# EAGLE board working (EAGLE 6.6.0), part 1 of 2
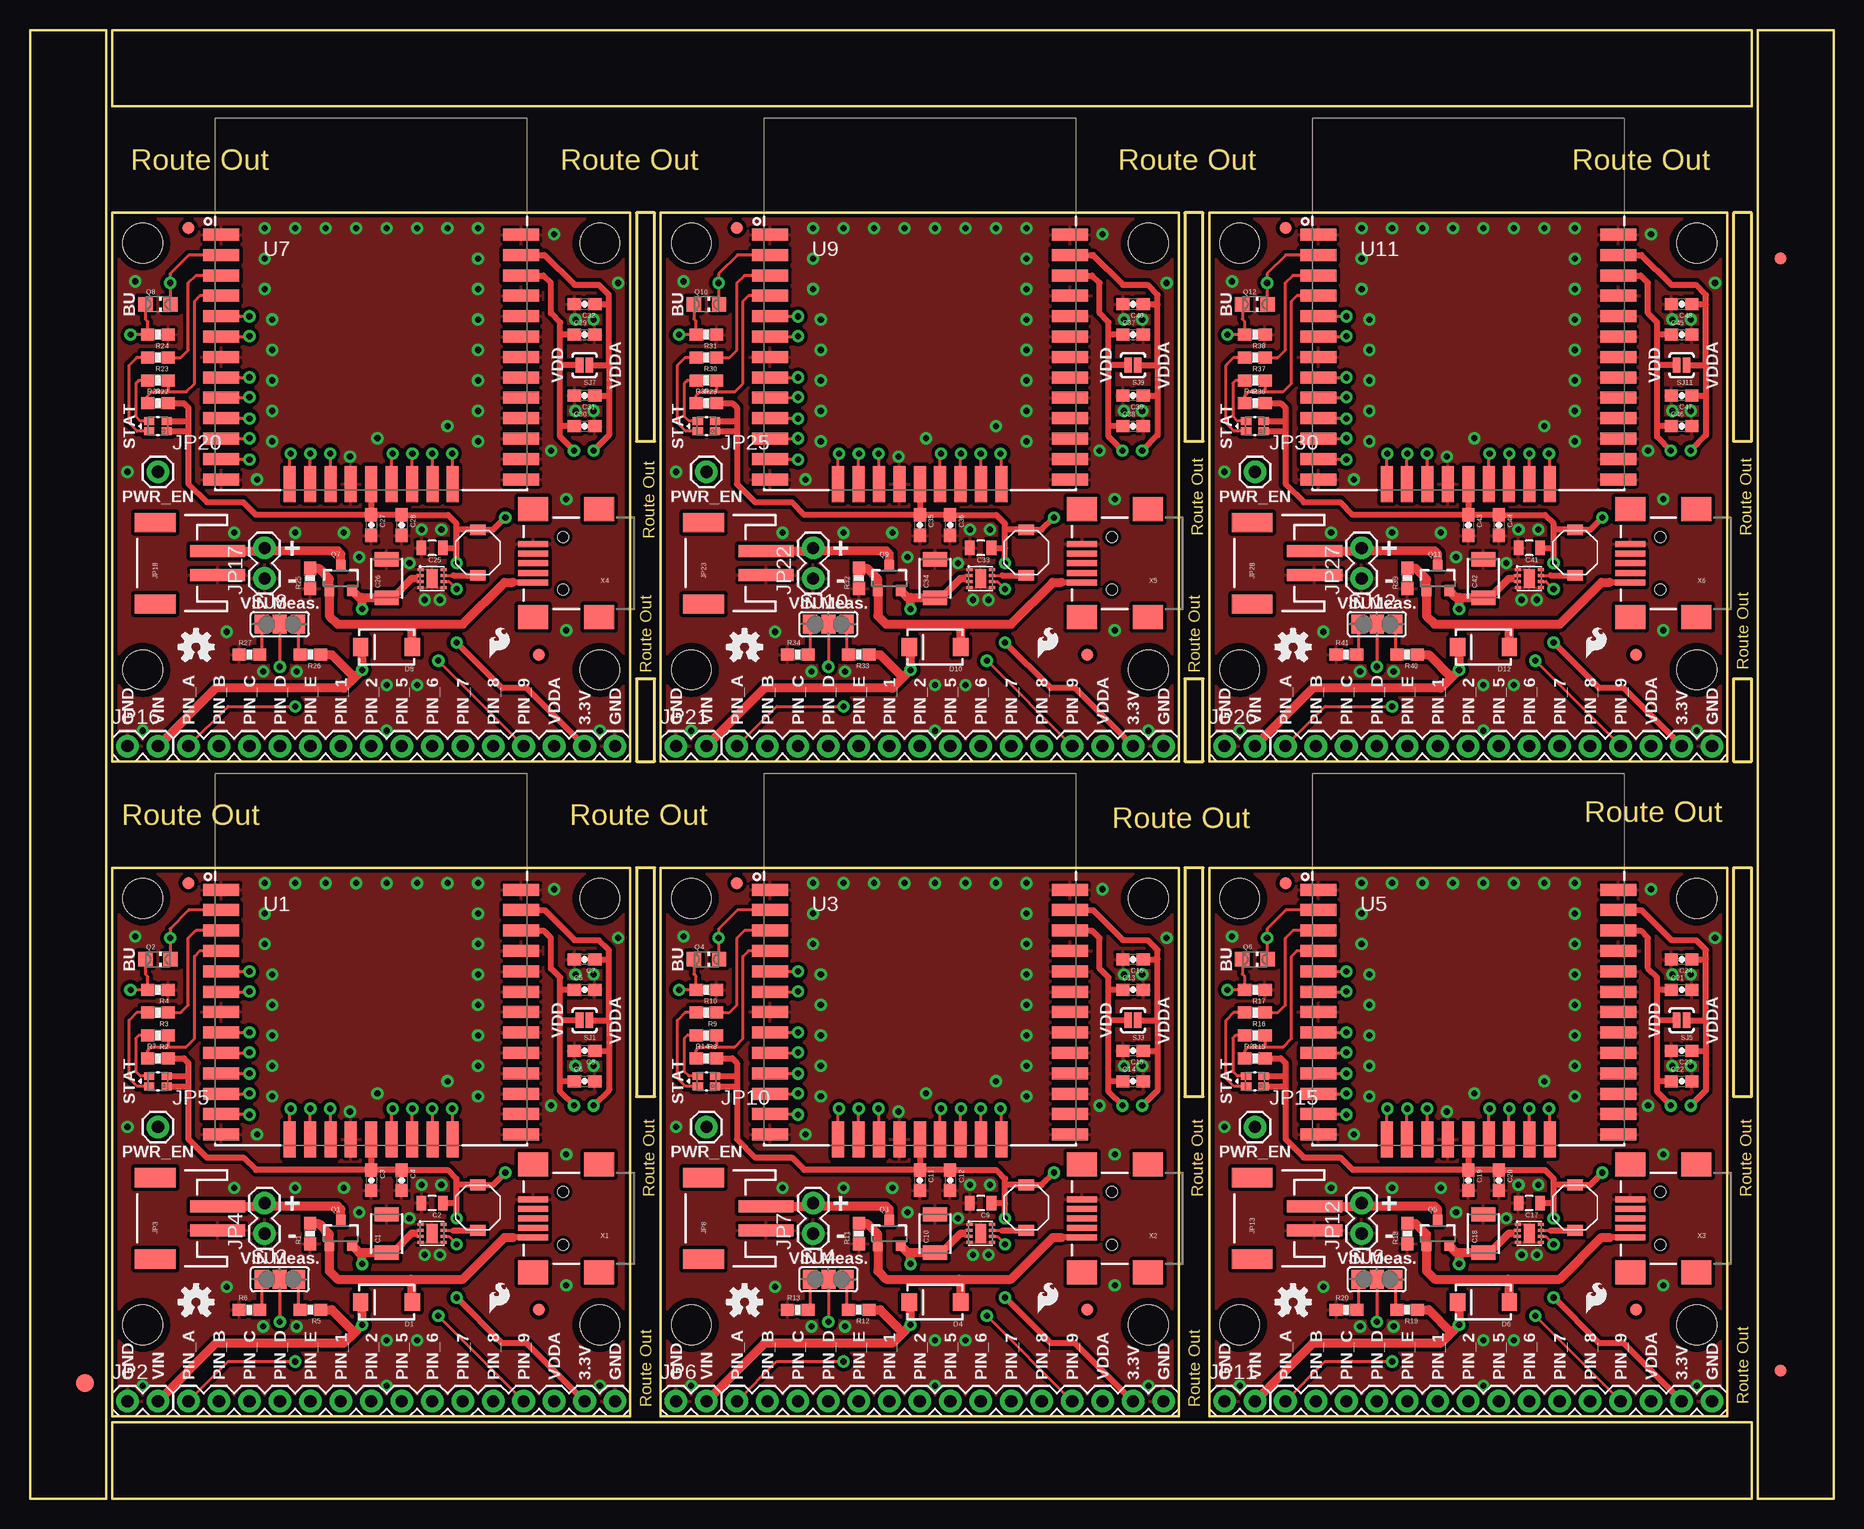
[diagram p0: board, top side]
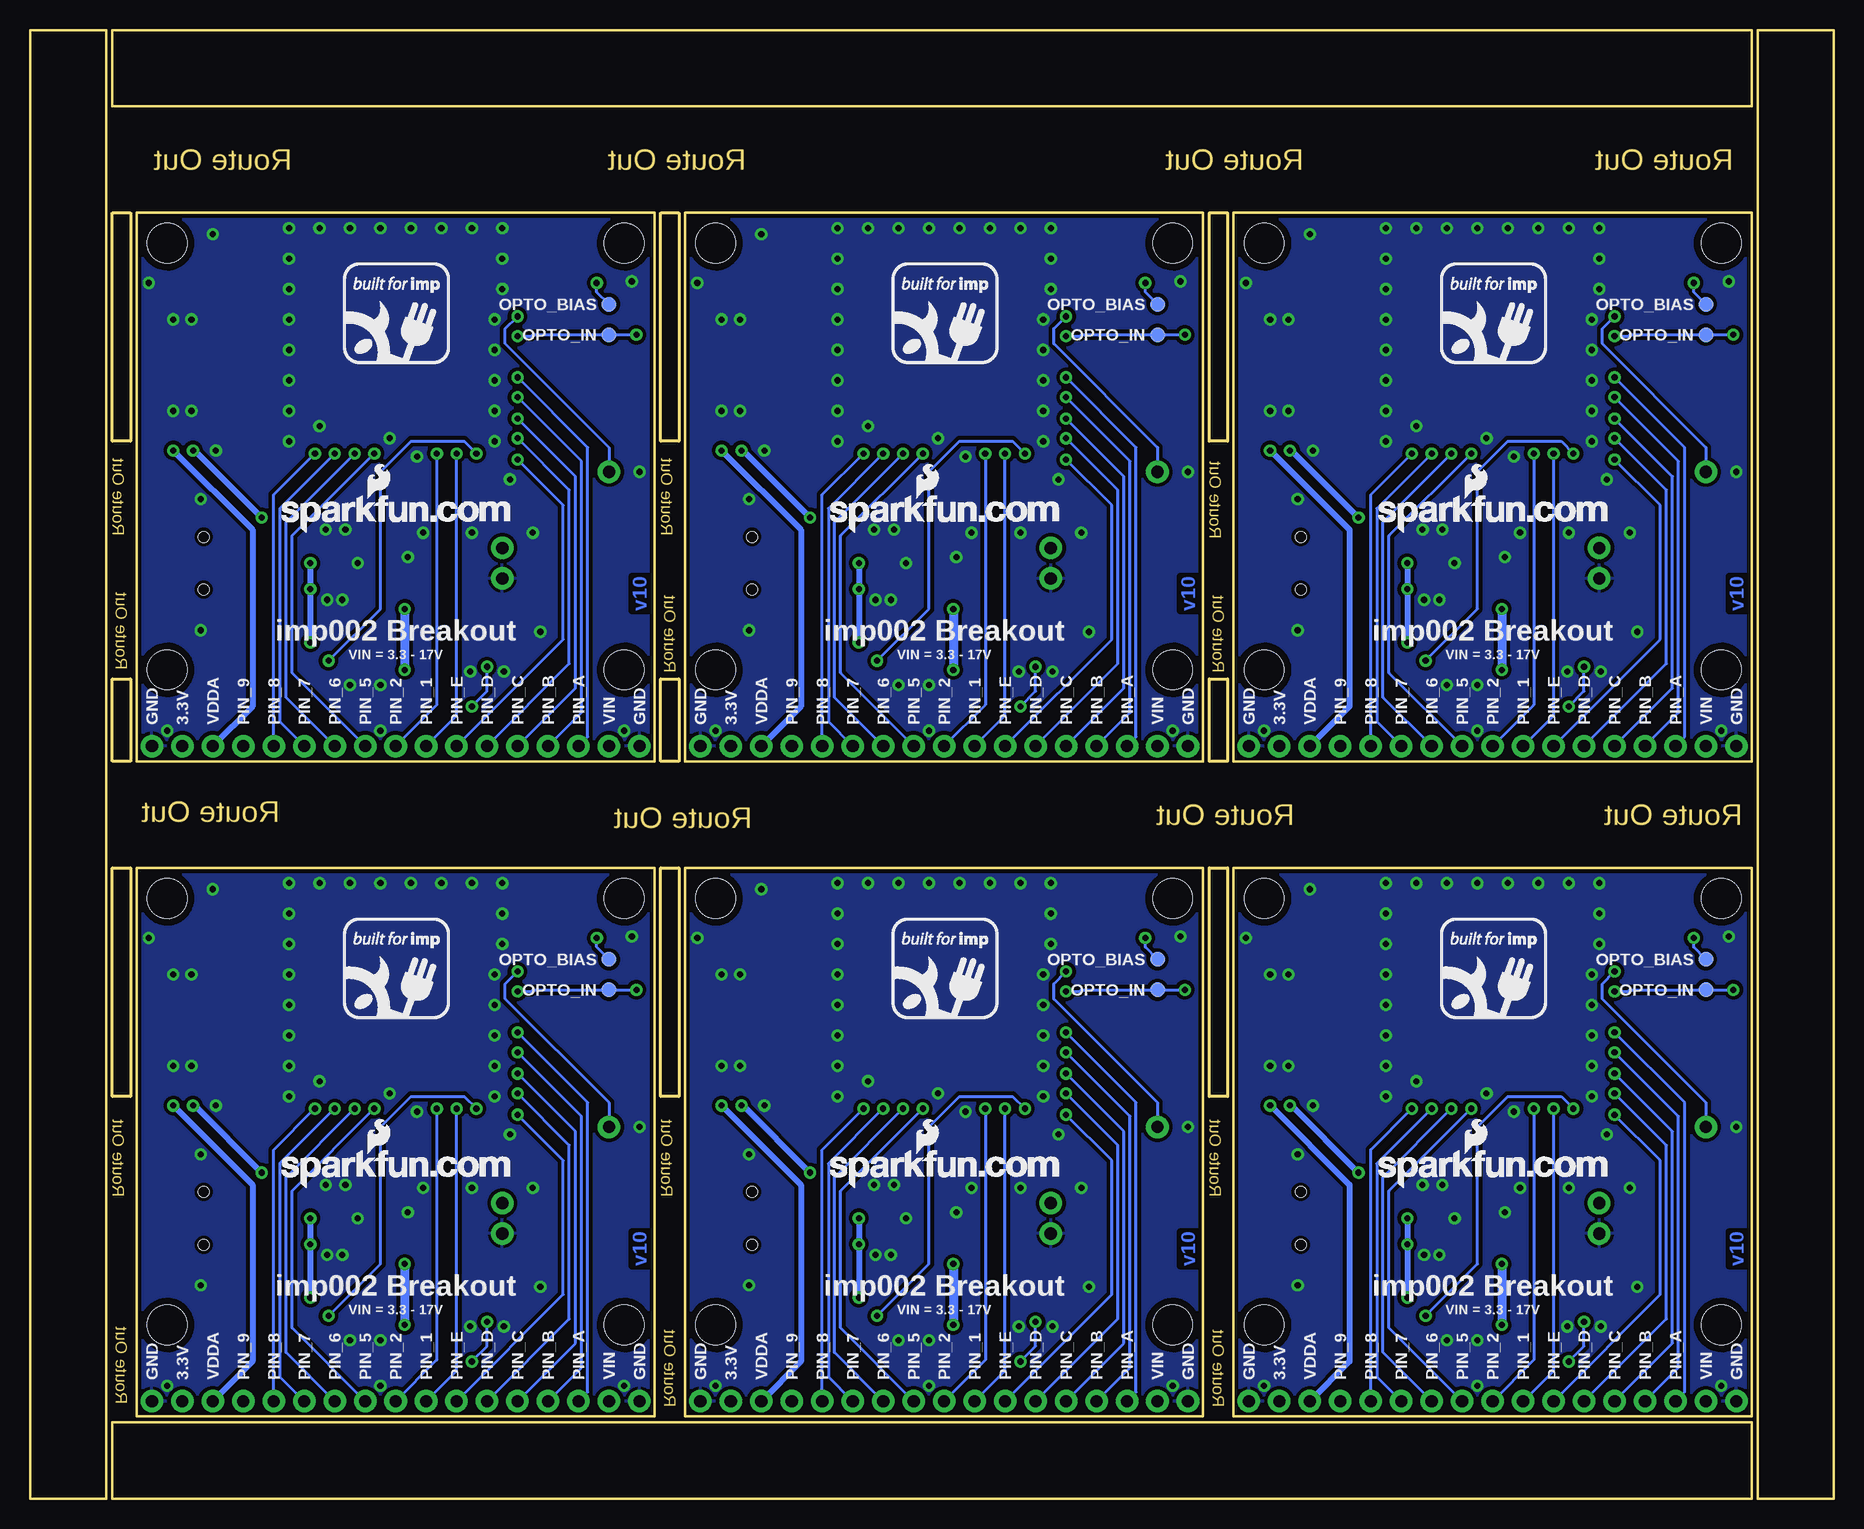
[diagram p1: board, bottom side, seen from below]

Size 150.37 x 122.43 mm. Coordinates in mm from the lower left corner, seen from the top.
Outline: 50.04,52.58 6.86,52.58 6.86,6.86 50.04,6.86 50.04,52.58
Outline: 95.76,52.58 52.58,52.58 52.58,6.86 95.76,6.86 95.76,52.58
Outline: 141.48,52.58 98.3,52.58 98.3,6.86 141.48,6.86 141.48,52.58
Outline: 50.04,107.19 6.86,107.19 6.86,61.47 50.04,61.47 50.04,107.19
Outline: 95.76,107.19 52.58,107.19 52.58,61.47 95.76,61.47 95.76,107.19
Outline: 141.48,107.19 98.3,107.19 98.3,61.47 141.48,61.47 141.48,107.19
Outline: 6.35,0 6.35,122.43 0,122.43 0,0 6.35,0
Outline: 6.86,0 143.51,0 143.51,6.35 6.86,6.35 6.86,0
Outline: 150.37,0 150.37,122.43 144.02,122.43 144.02,0 150.37,0
Outline: 143.51,122.43 6.86,122.43 6.86,116.08 143.51,116.08 143.51,122.43
Outline: 50.55,107.19 50.55,88.14 52.07,88.14 52.07,107.19 50.55,107.19
Outline: 96.27,107.19 96.27,88.14 97.79,88.14 97.79,107.19 96.27,107.19
Outline: 141.99,107.19 141.99,88.14 143.51,88.14 143.51,107.19 141.99,107.19
Outline: 50.55,52.58 50.55,33.53 52.07,33.53 52.07,52.58 50.55,52.58
Outline: 96.27,52.58 96.27,33.53 97.79,33.53 97.79,52.58 96.27,52.58
Outline: 141.99,52.58 141.99,33.53 143.51,33.53 143.51,52.58 141.99,52.58
Outline: 50.55,68.33 50.55,61.47 52.07,61.47 52.07,68.33 50.55,68.33
Outline: 96.27,68.33 96.27,61.47 97.79,61.47 97.79,68.33 96.27,68.33
Outline: 141.99,68.33 141.99,61.47 143.51,61.47 143.51,68.33 141.99,68.33
Copper layers (1*16): Top 0.035mm / dielectric 1.5mm / Bottom 0.035mm
Design rules "SparkFun-2-layer": minimum track width 7mil, minimum drill 15mil, track to track 8mil, track to pad 8mil, pad to pad 8mil, via to via 8mil, smd to smd 8mil, copper to edge 8mil, drill to drill 8mil, minimum pad ring 12mil, minimum via ring 10mil, stop-mask expansion 4mil, vias tented up to drill 20mil, thermal gap 10mil
tRestrict: area 40.4,29.9 to 41.4,45.7; area 86.1,29.9 to 87.1,45.7; area 131.8,29.9 to 132.8,45.7; area 40.4,84.5 to 41.4,100.3; area 86.1,84.5 to 87.1,100.3; area 131.8,84.5 to 132.8,100.3

## Footprints (pad centres in the part's own frame; a part is rotated, then mirrored left to right if it is on the bottom)
1210 = smd 1.2 x 2: 1 -1.6,0; 2 1.6,0
0805 = smd 0.8 x 1.2: 1 -0.9,0; 2 0.9,0
0603-CAP = smd 1.1 x 1: 1 -0.85,0; 2 0.85,0
SMA-DIODE = smd 1.27 x 1.47: A -2.15,0; C 2.15,0
LTST-C195KGJRKT = smd 0.65 x 0.85: P$1 0.425,0.725; P$2 -0.425,0.725; P$3 0.425,-0.725; P$4 -0.425,-0.725
FIDUCIAL-1.5X3 = smd 1.5 x 1.5: 1 0,0
FIDUCIAL-1X2 = smd 1 x 1: 1 0,0
1X15 = drill 1.016 pad 1.88: 1 0,0; 2 2.54,0; 3 5.08,0; 4 7.62,0; 5 10.16,0; 6 12.7,0; 7 15.24,0; 8 17.78,0; 9 20.32,0; 10 22.86,0; 11 25.4,0; 12 27.94,0; 13 30.48,0; 14 33.02,0; 15 35.56,0
1X02 = drill 1.016 pad 1.88: 1 0,0; 2 2.54,0
JST-2-SMD = smd 1 x 4.6: 1 -1,-3.7; 2 1,-3.7 | smd 1.6 x 3.4: NC1 -3.4,1.5; NC2 3.4,1.5
1X01 = drill 1.016 pad 1.88: 1 0,0
VLF4012A = smd 0.9 x 1.3: P$1 -1.9,0; P$2 1.9,0
SOT23-3 = smd 0.8 x 0.9: 1 -0.95,-1; 2 0.95,-1; 3 0,1.1
PT17-21C-L41-TR8 = smd 1.2 x 1.2: C 0,1.05; E 0,-1.05
0603-RES = smd 1.1 x 1: 1 -0.85,0; 2 0.85,0
PAD-JUMPER-2-NC_BY_PASTE_YES_SILK = smd 0.635 x 1.27: 1 -0.401,0; 2 0.413,0
PAD-JUMPER-3-NO_YES_SILK_FULL_BOX = smd 1.168 x 1.6: 1 -1.524,0; 2 0,0; 3 1.524,0
STAND-OFF = hole 3.302: 0,0
PAD.03X.05 = smd 1.27 x 1.27: P$1 0,0
ELECTRIC_IMP_IMP002 = smd 3 x 1: 1 -12.5,5.8; 2 -12.5,4.1; 3 -12.5,2.4; 4 -12.5,0.7; 5 -12.5,-1; 6 -12.5,-2.7; 7 -12.5,-4.4; 8 -12.5,-6.1; 9 -12.5,-7.8; 10 -12.5,-9.5; 11 -12.5,-11.2; 12 -12.5,-12.9; 13 -12.5,-14.6; 23 12.5,-14.6; 24 12.5,-12.9; 25 12.5,-11.2; 26 12.5,-9.5; 27 12.5,-7.8; 28 12.5,-6.1; 29 12.5,-4.4; 30 12.5,-2.7; 31 12.5,-1; 32 12.5,0.7; 33 12.5,2.4; 34 12.5,4.1; 35 12.5,5.8 | smd 1 x 3: 14 -6.8,-15; 15 -5.1,-15; 16 -3.4,-15; 17 -1.7,-15; 18 0,-15; 19 1.7,-15; 20 3.4,-15; 21 5.1,-15; 22 6.8,-15
WSON-8-PAD = smd 0.25 x 0.5: 1 -0.75,-0.95; 2 -0.25,-0.95; 3 0.25,-0.95; 4 0.75,-0.95; 5 0.75,0.95; 6 0.25,0.95; 7 -0.25,0.95; 8 -0.75,0.95 | smd 1.6 x 0.9: PAD 0,0
USB-MINIB = smd 2.5 x 0.5: D+ 2.5,0; D- 2.5,0.8; GND 2.5,-1.6; ID 2.5,-0.8; VBUS 2.5,1.6 | smd 2.5 x 2: MTN1 -3,4.5; MTN2 2.5,4.5; MTN3 -3,-4.5; MTN4 2.5,-4.5 | hole 0.9: 0,2.2; 0,-2.2

## Placement (x,y rotation side)
C1  10uF  [1210]  29.72,22.1 90 top
C2  22uF  [0805]  33.53,24.64 180 top
C3  100pF  [0603-CAP]  28.45,26.54 270 top
C4  1.0uF  [0603-CAP]  30.99,26.54 270 top
C5  100pF  [0603-CAP]  46.23,42.42 0 top
C6  1.0uF  [0603-CAP]  46.23,34.8 0 top
C7  100pF  [0603-CAP]  46.23,44.96 180 top
C8  DNP  [0603-CAP]  46.23,37.34 180 top
C9  22uF  [0805]  79.25,24.64 180 top
C10  10uF  [1210]  75.44,22.1 90 top
C11  100pF  [0603-CAP]  74.17,26.54 270 top
C12  1.0uF  [0603-CAP]  76.71,26.54 270 top
C13  100pF  [0603-CAP]  91.95,42.42 0 top
C14  1.0uF  [0603-CAP]  91.95,34.8 0 top
C15  DNP  [0603-CAP]  91.95,37.34 180 top
C16  100pF  [0603-CAP]  91.95,44.96 180 top
C17  22uF  [0805]  124.97,24.64 180 top
C18  10uF  [1210]  121.16,22.1 90 top
C19  100pF  [0603-CAP]  119.89,26.54 270 top
C20  1.0uF  [0603-CAP]  122.43,26.54 270 top
C21  100pF  [0603-CAP]  137.67,42.42 0 top
C22  1.0uF  [0603-CAP]  137.67,34.8 0 top
C23  DNP  [0603-CAP]  137.67,37.34 180 top
C24  100pF  [0603-CAP]  137.67,44.96 180 top
C25  22uF  [0805]  33.53,79.25 180 top
C26  10uF  [1210]  29.72,76.71 90 top
C27  100pF  [0603-CAP]  28.45,81.15 270 top
C28  1.0uF  [0603-CAP]  30.99,81.15 270 top
C29  100pF  [0603-CAP]  46.23,97.03 0 top
C30  1.0uF  [0603-CAP]  46.23,89.41 0 top
C31  DNP  [0603-CAP]  46.23,91.95 180 top
C32  100pF  [0603-CAP]  46.23,99.57 180 top
C33  22uF  [0805]  79.25,79.25 180 top
C34  10uF  [1210]  75.44,76.71 90 top
C35  100pF  [0603-CAP]  74.17,81.15 270 top
C36  1.0uF  [0603-CAP]  76.71,81.15 270 top
C37  100pF  [0603-CAP]  91.95,97.03 0 top
C38  1.0uF  [0603-CAP]  91.95,89.41 0 top
C39  DNP  [0603-CAP]  91.95,91.95 180 top
C40  100pF  [0603-CAP]  91.95,99.57 180 top
C41  22uF  [0805]  124.97,79.25 180 top
C42  10uF  [1210]  121.16,76.71 90 top
C43  100pF  [0603-CAP]  119.89,81.15 270 top
C44  1.0uF  [0603-CAP]  122.43,81.15 270 top
C45  100pF  [0603-CAP]  137.67,97.03 0 top
C46  1.0uF  [0603-CAP]  137.67,89.41 0 top
C47  DNP  [0603-CAP]  137.67,91.95 180 top
C48  100pF  [0603-CAP]  137.67,99.57 180 top
D1  MBRA140  [SMA-DIODE]  29.72,16.38 180 top
D2  LED-RGLTST-C195KGJRKT  [LTST-C195KGJRKT]  10.67,34.8 270 top
D3  LED-RGLTST-C195KGJRKT  [LTST-C195KGJRKT]  56.39,34.8 270 top
D4  MBRA140  [SMA-DIODE]  75.44,16.38 180 top
D5  LED-RGLTST-C195KGJRKT  [LTST-C195KGJRKT]  102.11,34.8 270 top
D6  MBRA140  [SMA-DIODE]  121.16,16.38 180 top
D7  LED-RGLTST-C195KGJRKT  [LTST-C195KGJRKT]  10.67,89.41 270 top
D8  MBRA140  [SMA-DIODE]  29.72,70.99 180 top
D9  LED-RGLTST-C195KGJRKT  [LTST-C195KGJRKT]  56.39,89.41 270 top
D10  MBRA140  [SMA-DIODE]  75.44,70.99 180 top
D11  LED-RGLTST-C195KGJRKT  [LTST-C195KGJRKT]  102.11,89.41 270 top
D12  MBRA140  [SMA-DIODE]  121.16,70.99 180 top
E$1  [FIDUCIAL-1.5X3]  4.57,9.65 0 top
E$3  [FIDUCIAL-1X2]  145.92,10.67 0 top
E$5  [FIDUCIAL-1X2]  145.92,103.38 180 top
FID1  FIDUCIAL1X2  [FIDUCIAL-1X2]  13.21,51.31 0 top
FID2  FIDUCIAL1X2  [FIDUCIAL-1X2]  42.42,15.75 0 top
FID3  FIDUCIAL1X2  [FIDUCIAL-1X2]  58.93,51.31 0 top
FID4  FIDUCIAL1X2  [FIDUCIAL-1X2]  88.14,15.75 0 top
FID5  FIDUCIAL1X2  [FIDUCIAL-1X2]  104.65,51.31 0 top
FID6  FIDUCIAL1X2  [FIDUCIAL-1X2]  133.86,15.75 0 top
FID7  FIDUCIAL1X2  [FIDUCIAL-1X2]  13.21,105.92 0 top
FID8  FIDUCIAL1X2  [FIDUCIAL-1X2]  42.42,70.36 0 top
FID9  FIDUCIAL1X2  [FIDUCIAL-1X2]  58.93,105.92 0 top
FID10  FIDUCIAL1X2  [FIDUCIAL-1X2]  88.14,70.36 0 top
FID11  FIDUCIAL1X2  [FIDUCIAL-1X2]  104.65,105.92 0 top
FID12  FIDUCIAL1X2  [FIDUCIAL-1X2]  133.86,70.36 0 top
JP1  M15  [1X15]  48.77,8.13 180 top
JP2  M02PTH  [1X02]  8.13,8.13 0 top
JP3  M02-JST-2MM-SMT  [JST-2-SMD]  11.94,23.37 90 top
JP4  M02PTH  [1X02]  19.56,22.1 90 top
JP5  M01PTH  [1X01]  10.67,30.99 0 top
JP6  M02PTH  [1X02]  53.85,8.13 0 top
JP7  M02PTH  [1X02]  65.28,22.1 90 top
JP8  M02-JST-2MM-SMT  [JST-2-SMD]  57.66,23.37 90 top
JP9  M15  [1X15]  94.49,8.13 180 top
JP10  M01PTH  [1X01]  56.39,30.99 0 top
JP11  M02PTH  [1X02]  99.57,8.13 0 top
JP12  M02PTH  [1X02]  111,22.1 90 top
JP13  M02-JST-2MM-SMT  [JST-2-SMD]  103.38,23.37 90 top
JP14  M15  [1X15]  140.21,8.13 180 top
JP15  M01PTH  [1X01]  102.11,30.99 0 top
JP16  M02PTH  [1X02]  8.13,62.74 0 top
JP17  M02PTH  [1X02]  19.56,76.71 90 top
JP18  M02-JST-2MM-SMT  [JST-2-SMD]  11.94,77.98 90 top
JP19  M15  [1X15]  48.77,62.74 180 top
JP20  M01PTH  [1X01]  10.67,85.6 0 top
JP21  M02PTH  [1X02]  53.85,62.74 0 top
JP22  M02PTH  [1X02]  65.28,76.71 90 top
JP23  M02-JST-2MM-SMT  [JST-2-SMD]  57.66,77.98 90 top
JP24  M15  [1X15]  94.49,62.74 180 top
JP25  M01PTH  [1X01]  56.39,85.6 0 top
JP26  M02PTH  [1X02]  99.57,62.74 0 top
JP27  M02PTH  [1X02]  111,76.71 90 top
JP28  M02-JST-2MM-SMT  [JST-2-SMD]  103.38,77.98 90 top
JP29  M15  [1X15]  140.21,62.74 180 top
JP30  M01PTH  [1X01]  102.11,85.6 0 top
L1  2.2uH  [VLF4012A]  37.34,24.26 90 top
L2  2.2uH  [VLF4012A]  83.06,24.26 90 top
L3  2.2uH  [VLF4012A]  128.78,24.26 90 top
L4  2.2uH  [VLF4012A]  37.34,78.87 90 top
L5  2.2uH  [VLF4012A]  83.06,78.87 90 top
L6  2.2uH  [VLF4012A]  128.78,78.87 90 top
LOGO1  OSHW-LOGOS  [OSHW-LOGO-S]  13.84,16.38 0 top
LOGO2  SFE_LOGO_FLAME.1_INCH  [SFE_LOGO_FLAME_.1]  37.97,15.11 0 top
LOGO3  OSHW-LOGOS  [OSHW-LOGO-S]  59.56,16.38 0 top
LOGO4  SFE_LOGO_FLAME.1_INCH  [SFE_LOGO_FLAME_.1]  83.69,15.11 0 top
LOGO5  OSHW-LOGOS  [OSHW-LOGO-S]  105.28,16.38 0 top
LOGO6  SFE_LOGO_FLAME.1_INCH  [SFE_LOGO_FLAME_.1]  129.41,15.11 0 top
LOGO7  OSHW-LOGOS  [OSHW-LOGO-S]  13.84,70.99 0 top
LOGO8  SFE_LOGO_FLAME.1_INCH  [SFE_LOGO_FLAME_.1]  37.97,69.72 0 top
LOGO9  OSHW-LOGOS  [OSHW-LOGO-S]  59.56,70.99 0 top
LOGO10  SFE_LOGO_FLAME.1_INCH  [SFE_LOGO_FLAME_.1]  83.69,69.72 0 top
LOGO11  OSHW-LOGOS  [OSHW-LOGO-S]  105.28,70.99 0 top
LOGO12  SFE_LOGO_FLAME.1_INCH  [SFE_LOGO_FLAME_.1]  129.41,69.72 0 top
Q1  DMG2307L  [SOT23-3]  25.91,22.1 0 top
Q2  PT17-21C-L41-TR8  [PT17-21C-L41-TR8]  10.67,44.96 270 top
Q3  DMG2307L  [SOT23-3]  71.63,22.1 0 top
Q4  PT17-21C-L41-TR8  [PT17-21C-L41-TR8]  56.39,44.96 270 top
Q5  DMG2307L  [SOT23-3]  117.35,22.1 0 top
Q6  PT17-21C-L41-TR8  [PT17-21C-L41-TR8]  102.11,44.96 270 top
Q7  DMG2307L  [SOT23-3]  25.91,76.71 0 top
Q8  PT17-21C-L41-TR8  [PT17-21C-L41-TR8]  10.67,99.57 270 top
Q9  DMG2307L  [SOT23-3]  71.63,76.71 0 top
Q10  PT17-21C-L41-TR8  [PT17-21C-L41-TR8]  56.39,99.57 270 top
Q11  DMG2307L  [SOT23-3]  117.35,76.71 0 top
Q12  PT17-21C-L41-TR8  [PT17-21C-L41-TR8]  102.11,99.57 270 top
R1  100k  [0603-RES]  23.37,22.1 90 top
R2  330  [0603-RES]  10.67,38.61 180 top
R3  330  [0603-RES]  10.67,40.51 180 top
R4  33k  [0603-RES]  10.67,42.42 180 top
R5  33k  [0603-RES]  23.37,15.75 180 top
R6  62k  [0603-RES]  18.29,15.75 0 top
R7  10K  [0603-RES]  10.67,36.7 0 top
R8  330  [0603-RES]  56.39,38.61 180 top
R9  330  [0603-RES]  56.39,40.51 180 top
R10  33k  [0603-RES]  56.39,42.42 180 top
R11  100k  [0603-RES]  69.09,22.1 90 top
R12  33k  [0603-RES]  69.09,15.75 180 top
R13  62k  [0603-RES]  64.01,15.75 0 top
R14  10K  [0603-RES]  56.39,36.7 0 top
R15  330  [0603-RES]  102.11,38.61 180 top
R16  330  [0603-RES]  102.11,40.51 180 top
R17  33k  [0603-RES]  102.11,42.42 180 top
R18  100k  [0603-RES]  114.81,22.1 90 top
R19  33k  [0603-RES]  114.81,15.75 180 top
R20  62k  [0603-RES]  109.73,15.75 0 top
R21  10K  [0603-RES]  102.11,36.7 0 top
R22  330  [0603-RES]  10.67,93.22 180 top
R23  330  [0603-RES]  10.67,95.12 180 top
R24  33k  [0603-RES]  10.67,97.03 180 top
R25  100k  [0603-RES]  23.37,76.71 90 top
R26  33k  [0603-RES]  23.37,70.36 180 top
R27  62k  [0603-RES]  18.29,70.36 0 top
R28  10K  [0603-RES]  10.67,91.31 0 top
R29  330  [0603-RES]  56.39,93.22 180 top
R30  330  [0603-RES]  56.39,95.12 180 top
R31  33k  [0603-RES]  56.39,97.03 180 top
R32  100k  [0603-RES]  69.09,76.71 90 top
R33  33k  [0603-RES]  69.09,70.36 180 top
R34  62k  [0603-RES]  64.01,70.36 0 top
R35  10K  [0603-RES]  56.39,91.31 0 top
R36  330  [0603-RES]  102.11,93.22 180 top
R37  330  [0603-RES]  102.11,95.12 180 top
R38  33k  [0603-RES]  102.11,97.03 180 top
R39  100k  [0603-RES]  114.81,76.71 90 top
R40  33k  [0603-RES]  114.81,70.36 180 top
R41  62k  [0603-RES]  109.73,70.36 0 top
R42  10K  [0603-RES]  102.11,91.31 0 top
SJ1  JUMPER-PAD-2-NC_BY_PASTE  [PAD-JUMPER-2-NC_BY_PASTE_YES_SILK]  46.23,39.88 180 top
SJ2  JUMPER-PAD-3-NOFULL_BOX_SILK  [PAD-JUMPER-3-NO_YES_SILK_FULL_BOX]  20.83,18.29 0 top
SJ3  JUMPER-PAD-2-NC_BY_PASTE  [PAD-JUMPER-2-NC_BY_PASTE_YES_SILK]  91.95,39.88 180 top
SJ4  JUMPER-PAD-3-NOFULL_BOX_SILK  [PAD-JUMPER-3-NO_YES_SILK_FULL_BOX]  66.55,18.29 0 top
SJ5  JUMPER-PAD-2-NC_BY_PASTE  [PAD-JUMPER-2-NC_BY_PASTE_YES_SILK]  137.67,39.88 180 top
SJ6  JUMPER-PAD-3-NOFULL_BOX_SILK  [PAD-JUMPER-3-NO_YES_SILK_FULL_BOX]  112.27,18.29 0 top
SJ7  JUMPER-PAD-2-NC_BY_PASTE  [PAD-JUMPER-2-NC_BY_PASTE_YES_SILK]  46.23,94.49 180 top
SJ8  JUMPER-PAD-3-NOFULL_BOX_SILK  [PAD-JUMPER-3-NO_YES_SILK_FULL_BOX]  20.83,72.9 0 top
SJ9  JUMPER-PAD-2-NC_BY_PASTE  [PAD-JUMPER-2-NC_BY_PASTE_YES_SILK]  91.95,94.49 180 top
SJ10  JUMPER-PAD-3-NOFULL_BOX_SILK  [PAD-JUMPER-3-NO_YES_SILK_FULL_BOX]  66.55,72.9 0 top
SJ11  JUMPER-PAD-2-NC_BY_PASTE  [PAD-JUMPER-2-NC_BY_PASTE_YES_SILK]  137.67,94.49 180 top
SJ12  JUMPER-PAD-3-NOFULL_BOX_SILK  [PAD-JUMPER-3-NO_YES_SILK_FULL_BOX]  112.27,72.9 0 top
STANDOFF1  STAND-OFF  [STAND-OFF]  9.4,50.04 0 top
STANDOFF2  STAND-OFF  [STAND-OFF]  47.5,50.04 0 top
STANDOFF3  STAND-OFF  [STAND-OFF]  9.4,14.48 0 top
STANDOFF4  STAND-OFF  [STAND-OFF]  47.5,14.48 0 top
STANDOFF5  STAND-OFF  [STAND-OFF]  55.12,50.04 0 top
STANDOFF6  STAND-OFF  [STAND-OFF]  93.22,50.04 0 top
STANDOFF7  STAND-OFF  [STAND-OFF]  55.12,14.48 0 top
STANDOFF8  STAND-OFF  [STAND-OFF]  93.22,14.48 0 top
STANDOFF9  STAND-OFF  [STAND-OFF]  100.84,50.04 0 top
STANDOFF10  STAND-OFF  [STAND-OFF]  138.94,50.04 0 top
STANDOFF11  STAND-OFF  [STAND-OFF]  100.84,14.48 0 top
STANDOFF12  STAND-OFF  [STAND-OFF]  138.94,14.48 0 top
STANDOFF13  STAND-OFF  [STAND-OFF]  9.4,104.65 0 top
STANDOFF14  STAND-OFF  [STAND-OFF]  47.5,104.65 0 top
STANDOFF15  STAND-OFF  [STAND-OFF]  9.4,69.09 0 top
STANDOFF16  STAND-OFF  [STAND-OFF]  47.5,69.09 0 top
STANDOFF17  STAND-OFF  [STAND-OFF]  55.12,104.65 0 top
STANDOFF18  STAND-OFF  [STAND-OFF]  93.22,104.65 0 top
STANDOFF19  STAND-OFF  [STAND-OFF]  55.12,69.09 0 top
STANDOFF20  STAND-OFF  [STAND-OFF]  93.22,69.09 0 top
STANDOFF21  STAND-OFF  [STAND-OFF]  100.84,104.65 0 top
STANDOFF22  STAND-OFF  [STAND-OFF]  138.94,104.65 0 top
STANDOFF23  STAND-OFF  [STAND-OFF]  100.84,69.09 0 top
STANDOFF24  STAND-OFF  [STAND-OFF]  138.94,69.09 0 top
TP1  TEST-POINT3X5  [PAD.03X.05]  10.67,44.96 0 bottom
TP2  TEST-POINT3X5  [PAD.03X.05]  10.67,42.42 0 bottom
TP3  TEST-POINT3X5  [PAD.03X.05]  56.39,44.96 0 bottom
TP4  TEST-POINT3X5  [PAD.03X.05]  56.39,42.42 0 bottom
TP5  TEST-POINT3X5  [PAD.03X.05]  102.11,44.96 0 bottom
TP6  TEST-POINT3X5  [PAD.03X.05]  102.11,42.42 0 bottom
TP7  TEST-POINT3X5  [PAD.03X.05]  10.67,99.57 0 bottom
TP8  TEST-POINT3X5  [PAD.03X.05]  10.67,97.03 0 bottom
TP9  TEST-POINT3X5  [PAD.03X.05]  56.39,99.57 0 bottom
TP10  TEST-POINT3X5  [PAD.03X.05]  56.39,97.03 0 bottom
TP11  TEST-POINT3X5  [PAD.03X.05]  102.11,99.57 0 bottom
TP12  TEST-POINT3X5  [PAD.03X.05]  102.11,97.03 0 bottom
U1  imp002  [ELECTRIC_IMP_IMP002]  28.45,44.96 0 top
U2  TPS62172  [WSON-8-PAD]  33.53,22.1 270 top
U3  imp002  [ELECTRIC_IMP_IMP002]  74.17,44.96 0 top
U4  TPS62172  [WSON-8-PAD]  79.25,22.1 270 top
U5  imp002  [ELECTRIC_IMP_IMP002]  119.89,44.96 0 top
U6  TPS62172  [WSON-8-PAD]  124.97,22.1 270 top
U7  imp002  [ELECTRIC_IMP_IMP002]  28.45,99.57 0 top
U8  TPS62172  [WSON-8-PAD]  33.53,76.71 270 top
U9  imp002  [ELECTRIC_IMP_IMP002]  74.17,99.57 0 top
U10  TPS62172  [WSON-8-PAD]  79.25,76.71 270 top
U11  imp002  [ELECTRIC_IMP_IMP002]  119.89,99.57 0 top
U12  TPS62172  [WSON-8-PAD]  124.97,76.71 270 top
U$1  SFE_LOGO_NAME_WEB  [SFE-NEW-WEBLOGO]  83.69,25.91 0 bottom
U$2  SFE_LOGO_NAME_WEB  [SFE-NEW-WEBLOGO]  129.41,25.91 0 bottom
U$3  SFE_LOGO_NAME_WEB  [SFE-NEW-WEBLOGO]  37.97,80.52 0 bottom
U$4  SFE_LOGO_NAME_WEB  [SFE-NEW-WEBLOGO]  83.69,80.52 0 bottom
U$5  SFE_LOGO_NAME_WEB  [SFE-NEW-WEBLOGO]  129.41,80.52 0 bottom
U$9  SFE_LOGO_NAME_WEB  [SFE-NEW-WEBLOGO]  37.97,25.91 0 bottom
X1  USBSMD  [USB-MINIB]  44.45,23.37 180 top
X2  USBSMD  [USB-MINIB]  90.17,23.37 180 top
X3  USBSMD  [USB-MINIB]  135.89,23.37 180 top
X4  USBSMD  [USB-MINIB]  44.45,77.98 180 top
X5  USBSMD  [USB-MINIB]  90.17,77.98 180 top
X6  USBSMD  [USB-MINIB]  135.89,77.98 180 top

## Library data of the parts
C1 C10 C18 C26 C34 C42 L1-L6 SJ1-SJ12 TP1-TP12 = SparkFun-Passives
C2 C9 C17 C25 C33 C41 = SparkFun-Passives; PROD_ID: CAP-08402
C3 C5 C7 C11 C13 C16 C19 C21 C24 C27 C29 C32 C35 C37 C40 C43 C45 C48 = SparkFun-Capacitors; PROD_ID: CAP-07883
C4 C6 C12 C14 C20 C22 C28 C30 C36 C38 C44 C46 = SparkFun-Capacitors; PROD_ID: CAP-00868
C8 C15 C23 C31 C39 C47 = SparkFun-Capacitors
D1 D4 D6 D8 D10 D12 = SparkFun-DiscreteSemi; PROD_ID: DIO-08053
D2 D3 D5 D7 D9 D11 = SparkFun-LED; PROD_ID: DIO-12140
E$1 = SparkFun-Retired
E$3 E$5 FID1-FID12 LOGO1-LOGO12 U$1-U$5 U$9 = SparkFun-Aesthetics
JP1 JP2 JP4-JP7 JP9-JP12 JP14-JP17 JP19-JP22 JP24-JP27 JP29 JP30 = SparkFun-Connectors
JP3 JP8 JP13 JP18 JP23 JP28 = SparkFun-Connectors; PROD_ID: CONN-08352
Q1 Q3 Q5 Q7 Q9 Q11 = SparkFun-DiscreteSemi; PROD_ID: TRANS-11308
Q2 Q4 Q6 Q8 Q10 Q12 = SparkFun-DiscreteSemi; PROD_ID: TRANS-12141
R1 R11 R18 R25 R32 R39 = SparkFun-Resistors; PROD_ID: RES-07828
R2 R3 R8 R9 R15 R16 R22 R23 R29 R30 R36 R37 = SparkFun-Resistors; PROD_ID: RES-00818
R4 R5 R10 R12 R17 R19 R24 R26 R31 R33 R38 R40 = SparkFun-Resistors; PROD_ID: RES-08416
R6 R13 R20 R27 R34 R41 = SparkFun-Resistors; PROD_ID: RES-09993
R7 R14 R21 R28 R35 R42 = SparkFun-Resistors; PROD_ID: RES-00824
STANDOFF1-STANDOFF24 = SparkFun-Electromechanical
U1 U3 U5 U7 U9 U11 = SparkFun-DigitalIC; PROD_ID: IC-12130
U2 U4 U6 U8 U10 U12 = SparkFun-PowerIC; PROD_ID: IC-11307
X1-X6 = SparkFun-Connectors; PROD_ID: CONN-08193

## Nets
3.3V: C2.1 C3.1 C4.1 C5.1 C6.1 D2.P$1 D2.P$2 JP1.2 L1.P$2 R7.2 SJ1.2 U1.18 U1.33 U2.6
3.3V1: C9.1 C11.1 C12.1 C13.1 C14.1 D3.P$1 D3.P$2 JP9.2 L2.P$2 R14.2 SJ3.2 U3.18 U3.33 U4.6
3.3V2: C17.1 C19.1 C20.1 C21.1 C22.1 D5.P$1 D5.P$2 JP14.2 L3.P$2 R21.2 SJ5.2 U5.18 U5.33 U6.6
3.3V3: C25.1 C27.1 C28.1 C29.1 C30.1 D7.P$1 D7.P$2 JP19.2 L4.P$2 R28.2 SJ7.2 U7.18 U7.33 U8.6
3.3V4: C33.1 C35.1 C36.1 C37.1 C38.1 D9.P$1 D9.P$2 JP24.2 L5.P$2 R35.2 SJ9.2 U9.18 U9.33 U10.6
3.3V5: C41.1 C43.1 C44.1 C45.1 C46.1 D11.P$1 D11.P$2 JP29.2 L6.P$2 R42.2 SJ11.2 U11.18 U11.33 U12.6
GND: C1.2 C2.2 C3.2 C4.2 C5.2 C6.2 C7.2 C8.2 JP1.1 JP2.1 JP3.1 JP4.1 R1.1 R4.1 R6.1 U1.1 U1.7 U1.13 U1.17 U1.23 U1.24 U1.25 U1.26 U1.27 U1.28 U1.29 U1.30 U1.31 U1.32 U1.35 U2.1 U2.4 U2.5 U2.PAD X1.GND
GND1: C9.2 C10.2 C11.2 C12.2 C13.2 C14.2 C15.2 C16.2 JP6.1 JP7.1 JP8.1 JP9.1 R10.1 R11.1 R13.1 U3.1 U3.7 U3.13 U3.17 U3.23 U3.24 U3.25 U3.26 U3.27 U3.28 U3.29 U3.30 U3.31 U3.32 U3.35 U4.1 U4.4 U4.5 U4.PAD X2.GND
GND2: C17.2 C18.2 C19.2 C20.2 C21.2 C22.2 C23.2 C24.2 JP11.1 JP12.1 JP13.1 JP14.1 R17.1 R18.1 R20.1 U5.1 U5.7 U5.13 U5.17 U5.23 U5.24 U5.25 U5.26 U5.27 U5.28 U5.29 U5.30 U5.31 U5.32 U5.35 U6.1 U6.4 U6.5 U6.PAD X3.GND
GND3: C25.2 C26.2 C27.2 C28.2 C29.2 C30.2 C31.2 C32.2 JP16.1 JP17.1 JP18.1 JP19.1 R24.1 R25.1 R27.1 U7.1 U7.7 U7.13 U7.17 U7.23 U7.24 U7.25 U7.26 U7.27 U7.28 U7.29 U7.30 U7.31 U7.32 U7.35 U8.1 U8.4 U8.5 U8.PAD X4.GND
GND4: C33.2 C34.2 C35.2 C36.2 C37.2 C38.2 C39.2 C40.2 JP21.1 JP22.1 JP23.1 JP24.1 R31.1 R32.1 R34.1 U9.1 U9.7 U9.13 U9.17 U9.23 U9.24 U9.25 U9.26 U9.27 U9.28 U9.29 U9.30 U9.31 U9.32 U9.35 U10.1 U10.4 U10.5 U10.PAD X5.GND
GND5: C41.2 C42.2 C43.2 C44.2 C45.2 C46.2 C47.2 C48.2 JP26.1 JP27.1 JP28.1 JP29.1 R38.1 R39.1 R41.1 U11.1 U11.7 U11.13 U11.17 U11.23 U11.24 U11.25 U11.26 U11.27 U11.28 U11.29 U11.30 U11.31 U11.32 U11.35 U12.1 U12.4 U12.5 U12.PAD X6.GND
LED_G: R3.1 U1.3
LED_G1: R9.1 U3.3
LED_G2: R16.1 U5.3
LED_G3: R23.1 U7.3
LED_G4: R30.1 U9.3
LED_G5: R37.1 U11.3
LED_R: R2.1 R7.1 U1.4
LED_R1: R8.1 R14.1 U3.4
LED_R2: R15.1 R21.1 U5.4
LED_R3: R22.1 R28.1 U7.4
LED_R4: R29.1 R35.1 U9.4
LED_R5: R36.1 R42.1 U11.4
N$1: L1.P$1 U2.7
N$2: D1.A Q1.1 R1.2 X1.VBUS
N$3: L2.P$1 U4.7
N$4: D2.P$4 R2.2
N$5: D2.P$3 R3.2
N$6: R5.2 SJ2.3
N$7: R6.2 SJ2.1
N$8: D3.P$4 R8.2
N$9: D3.P$3 R9.2
N$10: D4.A Q3.1 R11.2 X2.VBUS
N$11: R12.2 SJ4.3
N$12: R13.2 SJ4.1
N$13: L3.P$1 U6.7
N$14: D5.P$4 R15.2
N$15: D5.P$3 R16.2
N$16: D6.A Q5.1 R18.2 X3.VBUS
N$17: R19.2 SJ6.3
N$18: R20.2 SJ6.1
N$19: L4.P$1 U8.7
N$20: D7.P$4 R22.2
N$21: D7.P$3 R23.2
N$22: D8.A Q7.1 R25.2 X4.VBUS
N$23: R26.2 SJ8.3
N$24: R27.2 SJ8.1
N$25: L5.P$1 U10.7
N$26: D9.P$4 R29.2
N$27: D9.P$3 R30.2
N$28: D10.A Q9.1 R32.2 X5.VBUS
N$29: R33.2 SJ10.3
N$30: R34.2 SJ10.1
N$31: L6.P$1 U12.7
N$32: D11.P$4 R36.2
N$33: D11.P$3 R37.2
N$34: D12.A Q11.1 R39.2 X6.VBUS
N$35: R40.2 SJ12.3
N$36: R41.2 SJ12.1
OPTO_BIAS: Q2.C TP1.P$1 U1.2
OPTO_BIAS1: Q4.C TP3.P$1 U3.2
OPTO_BIAS2: Q6.C TP5.P$1 U5.2
OPTO_BIAS3: Q8.C TP7.P$1 U7.2
OPTO_BIAS4: Q10.C TP9.P$1 U9.2
OPTO_BIAS5: Q12.C TP11.P$1 U11.2
OPTO_IN: Q2.E R4.2 TP2.P$1 U1.6
OPTO_IN1: Q4.E R10.2 TP4.P$1 U3.6
OPTO_IN2: Q6.E R17.2 TP6.P$1 U5.6
OPTO_IN3: Q8.E R24.2 TP8.P$1 U7.6
OPTO_IN4: Q10.E R31.2 TP10.P$1 U9.6
OPTO_IN5: Q12.E R38.2 TP12.P$1 U11.6
PIN_1: JP1.10 U1.15
PIN_2: JP1.9 U1.16
PIN_3: JP9.10 U3.15
PIN_4: JP9.9 U3.16
PIN_5: JP1.8 U1.19
PIN_6: JP1.7 U1.20
PIN_7: JP1.6 U1.21
PIN_8: JP1.5 U1.22
PIN_9: JP1.4 U1.14
PIN_10: JP9.8 U3.19
PIN_11: JP9.7 U3.20
PIN_12: JP9.6 U3.21
PIN_13: JP9.5 U3.22
PIN_14: JP9.4 U3.14
PIN_15: JP14.10 U5.15
PIN_16: JP14.9 U5.16
PIN_17: JP14.8 U5.19
PIN_18: JP14.7 U5.20
PIN_19: JP14.6 U5.21
PIN_20: JP14.5 U5.22
PIN_21: JP14.4 U5.14
PIN_22: JP19.10 U7.15
PIN_23: JP19.9 U7.16
PIN_24: JP19.8 U7.19
PIN_25: JP19.7 U7.20
PIN_26: JP19.6 U7.21
PIN_27: JP19.5 U7.22
PIN_28: JP19.4 U7.14
PIN_29: JP24.10 U9.15
PIN_30: JP24.9 U9.16
PIN_31: JP24.8 U9.19
PIN_32: JP24.7 U9.20
PIN_33: JP24.6 U9.21
PIN_34: JP24.5 U9.22
PIN_35: JP24.4 U9.14
PIN_36: JP29.10 U11.15
PIN_37: JP29.9 U11.16
PIN_38: JP29.8 U11.19
PIN_39: JP29.7 U11.20
PIN_40: JP29.6 U11.21
PIN_41: JP29.5 U11.22
PIN_42: JP29.4 U11.14
PIN_A: JP1.15 SJ2.2 U1.8
PIN_A1: JP9.15 SJ4.2 U3.8
PIN_A2: JP14.15 SJ6.2 U5.8
PIN_A3: JP19.15 SJ8.2 U7.8
PIN_A4: JP24.15 SJ10.2 U9.8
PIN_A5: JP29.15 SJ12.2 U11.8
PIN_B: JP1.14 U1.9
PIN_B1: JP9.14 U3.9
PIN_B2: JP14.14 U5.9
PIN_B3: JP19.14 U7.9
PIN_B4: JP24.14 U9.9
PIN_B5: JP29.14 U11.9
PIN_C: JP1.13 U1.10
PIN_C1: JP9.13 U3.10
PIN_C2: JP14.13 U5.10
PIN_C3: JP19.13 U7.10
PIN_C4: JP24.13 U9.10
PIN_C5: JP29.13 U11.10
PIN_D: JP1.12 U1.11
PIN_D1: JP9.12 U3.11
PIN_D2: JP14.12 U5.11
PIN_D3: JP19.12 U7.11
PIN_D4: JP24.12 U9.11
PIN_D5: JP29.12 U11.11
PIN_E: JP1.11 U1.12
PIN_E1: JP9.11 U3.12
PIN_E2: JP14.11 U5.12
PIN_E3: JP19.11 U7.12
PIN_E4: JP24.11 U9.12
PIN_E5: JP29.11 U11.12
POWER_EN: JP5.1 U1.5
POWER_EN1: JP10.1 U3.5
POWER_EN2: JP15.1 U5.5
POWER_EN3: JP20.1 U7.5
POWER_EN4: JP25.1 U9.5
POWER_EN5: JP30.1 U11.5
VBAT: JP3.2 JP4.2 Q1.3
VBAT1: JP7.2 JP8.2 Q3.3
VBAT2: JP12.2 JP13.2 Q5.3
VBAT3: JP17.2 JP18.2 Q7.3
VBAT4: JP22.2 JP23.2 Q9.3
VBAT5: JP27.2 JP28.2 Q11.3
VDDA: C7.1 C8.1 JP1.3 SJ1.1 U1.34
VDDA1: C15.1 C16.1 JP9.3 SJ3.1 U3.34
VDDA2: C23.1 C24.1 JP14.3 SJ5.1 U5.34
VDDA3: C31.1 C32.1 JP19.3 SJ7.1 U7.34
VDDA4: C39.1 C40.1 JP24.3 SJ9.1 U9.34
VDDA5: C47.1 C48.1 JP29.3 SJ11.1 U11.34
VIN: C1.1 D1.C JP2.2 Q1.2 R5.1 U2.2 U2.3
VIN1: C10.1 D4.C JP6.2 Q3.2 R12.1 U4.2 U4.3
VIN2: C18.1 D6.C JP11.2 Q5.2 R19.1 U6.2 U6.3
VIN3: C26.1 D8.C JP16.2 Q7.2 R26.1 U8.2 U8.3
VIN4: C34.1 D10.C JP21.2 Q9.2 R33.1 U10.2 U10.3
VIN5: C42.1 D12.C JP26.2 Q11.2 R40.1 U12.2 U12.3